# KiCad board panel.kicad_pcb (continued)
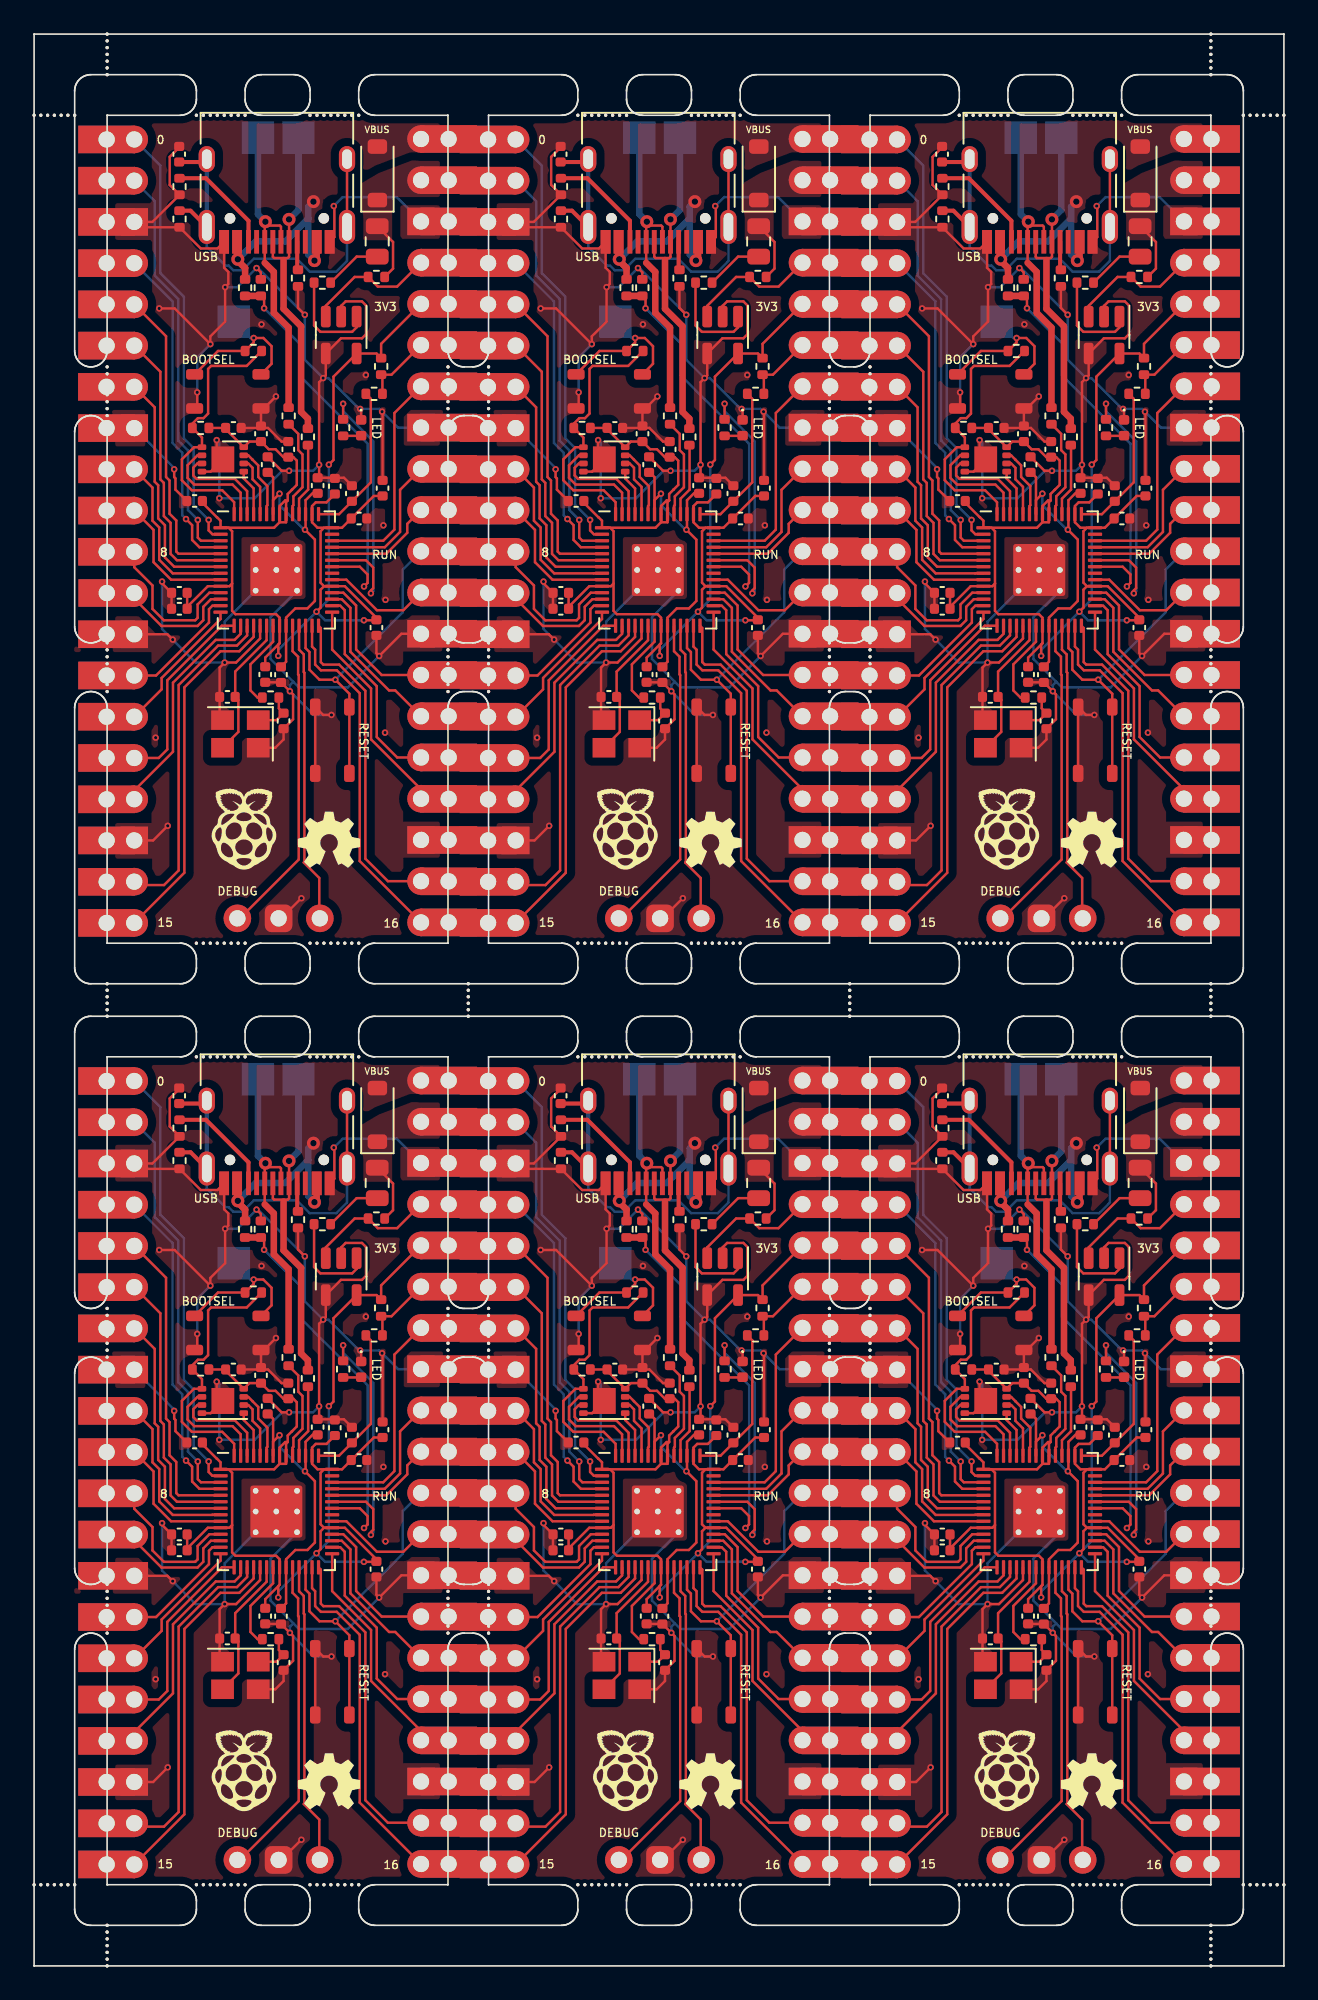
[diagram p0: board, top side]
## Routing (per net, layer and track width the routed paths; a pad name or vN(x,y) marks a point on that pad's centre or on a via; arc(x,y) is an arc through that point) (continued)
Board_3-/QSPI_SD0: length 2.9
  Top w0.15: U1#4.53 13.53,33.01 12.92,33.62 U2#3.5
Board_3-/QSPI_SD1: length 6.9
  Top w0.15: U2#3.2 10.06,35.05 9.45,34.44 9.45,33.66 9.87,33.25 12.23,33.25 12.72,32.75 U1#4.55
Board_3-/QSPI_SD2: length 6.3
  Top w0.15: U1#4.54 13.12,32.84 12.37,33.6 10.01,33.6 9.81,33.81 9.81,34.29 10.06,34.55 U2#3.3
Board_3-/QSPI_SD3: length 4.4
  Top w0.15: U1#4.51 14.33,31.93 14.38,31.98 14.38,33.15 13.81,33.72 13.81,34.43 13.45,34.79 13.45,34.79 13.2,35.05 U2#3.7
Board_3-/QSPI_SS: length 16.9
  Top w0.15: R8#4.2 13.1,40.56 10.9,40.56 10.72,40.38 10.72,37.62 10.44,37.34 10.09,37.34 9.75,37 R9#3.1 ; R9#3.1 10.34,36.15 U2#3.1 9.85,35.55 9.11,34.81 9.11,33.52 9.72,32.9 11.59,32.9 12.33,32.17 U1#4.56 ; R9#3.1 9.62,36.74
Board_3-/RUN: length 20.9
  Top w0.15: SW1#3.2 SW1#3.2 19.42,20.37 v1(18.56,21.23) 17.58,21.23 16.97,21.84 16.97,22.93 16.72,23.17 U1#4.26
  Bottom w0.15: v1(18.56,21.23) 22.72,25.39 22.72,28.02 J2#3.11
Board_3-/SWCLK: length 20
  Top w0.15: 12.49,6.34 16.31,10.16 16.31,21.52 16.27,21.56 16.27,22.64 15.92,22.98 U1#4.24
Board_3-/SWD: length 18.8
  Top w0.15: U1#4.25 16.33,23.08 16.61,22.79 16.61,21.7 16.66,21.66 16.66,10.01 16.62,9.97 17.57,9.02 17.57,6.34
Board_3-/USB_BOOT: length 9.7
  Top w0.15: SW2.2 14.63,40.69 14.63,41.77 14.12,42.28 v1(13.53,42.28) 13.53,42.01 R8#4.1 11.33,41.48 SW2.2
  Bottom w0.15: TP3#4.1 13.32,42.28 v1(13.53,42.28)
Board_3-/USB_DM: length 20.6
  Top w0.15: v2(15.71,49.59) 15.71,49.58 J4#6.B7 15.71,47.28 15.64,47.2 14.78,47.2 14.71,47.28 J4#6.A7
  Top w0.4: R2#5.2 16.87,37.31 16.45,37.73 16.45,43 15.37,44.08 15.37,47.08
  Bottom w0.4: v2(15.71,49.59) 16.29,50.17 TP2#6.1
Board_3-/USB_DP: length 19.4
  Top w0.15: 14.21,46.91 J4#6.B6 14.21,49.13 14.28,49.2 ; 14.28,49.2 15.14,49.2 15.21,49.13 J4#6.A6 ; 14.28,49.2 14.28,49.41 v2(14.25,49.44)
  Top w0.4: R1.2 15.68,42.92 14.77,43.83 14.77,46.35 14.21,46.91
  Bottom w0.4: v2(14.25,49.44) 13.79,49.9 TP1#3.1
Board_3-GND: length 169.7
  Top w0.15: v1(10.05,38.93) 10.05,38.1 SW2.1 ; SW1#3.1 SW1#3.1 17.81,19.06 v1(18.32,19.06) ; C6#5.2 15.2,21.07 C2#4.2 15.22,21.06 v1(15.76,20.52) 15.95,20.33 15.95,18.8 C14#5.2 15.37,17.55 14.86,17.04 Y1#2.4 ; C12#3.2 19.09,33.67 C3#2.2 17.56,33.76 v1(17.56,34.47) 17.56,39.56 v1(17.81,39.81) 17.97,39.97 U3#4.4 18.91,42.26 20.2,42.26 20.45,42.51 20.45,44.29 20.2,44.53 19.2,44.53 18.92,44.26 U3#4.2 ; J4#6.A1 18.5,48.5 18.5,50.37 v1(18.46,50.41) ; C7#2.2 21.09,22.86 v1(21.26,22.69) 22.63,24.06 J2#3.13 ; U2#3.4 10.88,34.05 U2#3.9 11.25,35.18 v1(11.25,35.99) ; v1(20.09,37.91) 20.15,37.85 D1#2.1 ; C1#3.2 15.25,34.1 v1(15.71,34.1) ; Y1#2.2 11.43,18.92 C15#5.1 11.43,21.98 v1(11.74,22.29) 12.44,22.29 13.92,23.77 U1#4.19 ; C19#3.2 13.98,37.76 v1(14.9,38.68) ; C17#5.2 8.94,54.02 8.36,53.44 8.36,51.7 R12#6.2 7.29,49.43 J1#2.3 6.5,49.1 R10#5.1 10.27,47.8 11.3,47.8 J4#6.A12 11.71,46.61 11.97,46.35 11.97,45.61 v1(11.77,45.41) 11.77,43.29 10.86,42.38 v1(10.86,41.9) 8.66,44.1 v1(7.71,44.1) ; J1#2.18 7.33,11.33 v1(8.23,12.23) ; v1(13.7,46.59) 13.97,46.32 R14#2.1 ; v1(7.88,27.27) 7.88,27.17 C13#5.2 C8#6.2 8.47,25.68 ; v1(8.63,34.19) 8.63,33.71 8.71,33.63 8.71,32.94 C9#6.2 ; v1(8.54,23.7) 8.21,24.03 J1#2.13 ; v1(16.68,43.71) 16.26,44.13 R11#3.2 ; C5.2 15.25,35.9 14.41,36.74 C16.1 ; v1(21.44,37.74) 21.47,37.71 C10#2.2 ; v1(16.47,7.77) 16.46,7.77 15.03,6.34
  Bottom w0.15: v1(18.46,50.41) 19.02,50.96 22.34,50.96 J2#3.3 ; J2#3.8 22.42,36.76 v1(21.44,37.74) 21.27,37.91 v1(20.09,37.91) 20.03,37.91 18.13,39.81 v1(17.81,39.81) 16.68,40.94 v1(16.68,43.71) 13.8,46.59 v1(13.7,46.59) 12.53,45.41 v1(11.77,45.41) ; 16.2,26.72 14.57,25.08 14.57,22.5 15.97,21.1 ; 15.97,21.1 15.76,20.89 v1(15.76,20.52) 17.22,19.06 v1(18.32,19.06) ; 15.97,21.1 16.32,20.75 19.32,20.75 v1(21.26,22.69) ; J1#2.8 8.63,34.27 v1(8.63,34.19) ; 13.65,26.72 11.74,24.81 v1(11.74,22.29) 9.95,22.29 v1(8.54,23.7) 7.88,24.36 v1(7.88,27.27) ; v1(11.25,35.99) 11.41,35.83 v1(11.41,32.41) 13.59,32.41 15.28,34.1 v1(15.71,34.1) 17.19,34.1 v1(17.56,34.47) ; v1(10.86,41.9) 10.05,41.09 v1(10.05,38.93)
  vias: v1(7.49,17.66) v1(14.01,43.12) v1(20.44,40) v1(21.52,30.74) v1(21.62,17.97) v1(21.65,26.15)
Board_3-Net-(C14-Pad1): length 2.8
  Top w0.15: Y1#2.1 14.94,18.74 C14#5.1 15.08,19.46 R7.1
Board_3-Net-(D1-A): length 1.1
  Top w0.15: R5.2 20.13,36.25 D1#2.2
Board_3-Net-(F1-Pad2): length 3.5
  Top w0.15: F1.2 19.87,47.29 FB1#5.2
Board_3-Net-(J4-CC1): length 1.7
  Top w0.25: J4#6.A5 16.21,46.53 R11#3.1
Board_3-Net-(J4-CC2): length 6.6
  Top w0.25: J4#6.B5 13.21,49.5 10.59,52.12 R12#6.1
Board_3-Net-(J4-SHIELD): length 25.7
  Top w0.15: J4#6.S1 J4#6.S1
  Top w0.25: R10#5.2 9.64,50.12 J4#6.S1 ; J4#6.S1 10.46,53.12 C17#5.1
  Bottom w0.15: J4#6.S1 19.28,47.03 18.62,46.37 16.98,46.37 16.19,47.16 13.54,47.16 12.83,46.45 12.27,46.45 11.98,46.74 11.79,46.74 10.64,47.89 J4#6.S1
  Bottom w0.25: J4#6.S1 J4#6.S1
Board_3-Net-(U1-ADC_AVDD): length 9.6
  Top w0.15: U1#4.43 18.79,31.43 C12#3.1 20.75,33.39 20.75,38.53 R4#5.2
Board_3-Net-(U1-USB_DM): length 4.5
  Top w0.15: U1#4.46 16.33,32.38 16.89,32.94 16.89,35.67 R2#5.1
Board_3-Net-(U1-USB_DP): length 6.1
  Top w0.15: U1#4.47 15.92,31.93 15.97,31.98 15.97,32.52 16.53,33.08 16.53,35.11 16.28,35.37 16.28,36.38 R1.1
Board_3-Net-(U3-IN): length 6.2
  Top w0.15: U3#4.1 19.87,42.94 19.59,42.66 17.64,42.66 17.25,43.05 FB1#5.1
Board_3-VBUS: length 13.8
  Top w0.4: 13,46.59 12.51,47.08 J4#6.A9 ; 13,46.59 R13#2.2 ; 13,46.59 12.55,47.04 v2(12.55,47.13) ; v2(17.27,47.05) 17.41,47.18 J4#6.A4
  Bottom w0.4: v2(12.55,47.13) 13.65,48.23 15.48,48.23 16.89,49.64 ; 16.89,49.64 16.89,50.36 v2(17.21,50.68) ; 16.89,49.64 16.89,47.43 v2(17.27,47.05)
Board_3-VSYS: length 3.7
  Top w0.15: F1.1 22.12,48.19 22.12,46.56 R15.1
Board_3-XIN: length 8.8
  Top w0.15: U1#4.20 14.33,23.67 12.39,21.73 C15#5.2 12.58,19.97 12.58,18.02 Y1#2.3
Board_3-XOUT: length 5.5
  Top w0.15: R7.2 13.77,20.13 13.33,20.57 13.33,22.18 14.72,23.57 U1#4.21
Board_4-3V3_EN: length 8.1
  Top w0.15: U3#2.3 41.47,44.26 43.25,46.04 R15#5.2 44.68,45.44 45.87,45.44 J2#4.4
Board_4-+1V1: length 19.4
  Top w0.15: C2.1 39.03,22.33 U1.23 39.03,25.05 39.59,25.62 40.34,25.62 40.8,26.08 40.8,29.86 v1(40.19,30.47) ; v1(40.19,30.47) 40.22,30.48 ; v1(40.19,30.47) 40.22,30.5 40.22,32.28 40.68,32.74 ; 38.02,33.91 38.22,33.7 38.22,31.43 38.22,32.3 v1(38.62,32.69)
  Bottom w0.15: 40.19,30.41 38.62,31.98 v1(38.62,32.69)
Board_4-+3V3: length 84.7
  Top w0.15: 35.7,27.15 35.7,25.47 35.91,25.27 38.41,25.27 38.62,25.05 U1.22 38.62,23.48 ; 35.7,27.15 35.7,30.38 35.49,30.59 U1.1 ; 35.7,27.15 35.54,26.99 U1.10 34.2,26.99 32.93,25.72 C8#3.1 C13#2.1 ; 38.62,30.93 39.03,30.93 U1.48 39.03,32.17 39.12,32.27 ; 38.62,30.93 38.29,30.59 U1.1 ; 38.62,30.93 U1.49 38.62,31.93 38.97,32.27 39.12,32.27 ; C6#6.1 37.74,22.59 38.62,23.48 ; 39.12,32.27 39.12,32.67 39.38,32.93 ; 38.62,23.48 38.54,23.39 v1(38.54,22.7) ; C10#6.1 44.43,32.55 C4#4.1 42.47,30.59 U1.42 41.36,30.59 ; U1.1 34.99,31.02 34.77,31.24 34.76,31.24 33.84,32.16 33.84,32.22 ; U1.1 34.98,30.6 ; 41.36,26.99 41.15,26.78 41.15,25.67 v1(40.9,25.42) ; 41.36,26.99 U1.33 42.65,26.99 44.59,25.05 C7#4.1 44.56,24.89 v1(43.82,24.89) ; 41.36,26.99 41.15,27.2 41.15,30.38 41.36,30.59 ; 41.36,30.59 40.96,30.59 40.62,30.93 U1.44 40.62,31.93 40.85,32.16 41.51,32.16 C11#2.1 ; v1(41.66,34.48) 41.94,34.77 41.94,39.9 U3#2.5 44.6,41.32 R3#6.1 44.88,41.92 J2#4.5 ; 39.38,32.93 39.4,32.94 ; 39.38,32.93 39.69,33.23 39.69,34.72 39.47,34.94 C5#3.1 38.86,34.94 38.38,35.42 37.96,35.42 C19.1 36.77,35.9 U2#5.8 35.3,36.67 C16#2.2 R9.2
  Bottom w0.15: v1(38.54,22.7) 38.54,23.06 v1(40.9,25.42) ; 43.48,24.89 v1(43.82,24.89) 41.43,24.89 v1(40.9,25.42) ; v1(40.9,25.42) 41.66,26.18 v1(41.66,34.48)
Board_4-/ADC_VREF: length 4.4
  Top w0.15: R4#2.1 44.96,39.94 R3#6.2 45.52,40.02 J2#4.6
Board_4-/GPIO0: length 26.8
  Top w0.15: U1.2 34.49,30.19 34.25,30.42 v1(34.25,31.07)
  Bottom w0.15: J1#6.1 31.28,52.9 31.28,46.27 32.73,44.82 32.73,36.1 33.33,35.5 33.33,32 v1(34.25,31.07)
Board_4-/GPIO1: length 25.1
  Top w0.15: v1(33.59,31.07) 33.59,29.98 33.78,29.79 U1.3
  Bottom w0.15: v1(33.59,31.07) 32.98,31.68 32.98,35.36 32.38,35.96 32.38,44.67 30.93,46.12 30.93,50.71 J1#6.2
Board_4-/GPIO2: length 20.5
  Top w0.15: v1(32.86,31.13) 33.24,30.75 33.24,29.84 33.69,29.39 U1.4
  Bottom w0.15: J1#6.4 32.03,44.53 32.03,35.81 32.63,35.21 32.63,31.36 v1(32.86,31.13)
Board_4-/GPIO3: length 19.1
  Top w0.15: U1.5 32.39,28.99 32.26,29.12 32.26,31.04 31.84,31.45 31.84,33.5 31.63,33.71 31.63,42.39 J1#6.5
Board_4-/GPIO4: length 17
  Top w0.15: U1.6 32.3,28.59 31.91,28.98 31.91,30.89 31.5,31.31 31.5,33.35 31.28,33.57 31.28,40.2 J1#6.6
Board_4-/GPIO5: length 15
  Top w0.15: J1#6.7 30.93,38.01 30.93,33.42 31.15,33.21 31.15,31.16 31.56,30.75 31.56,28.76 32.13,28.19 U1.7
Board_4-/GPIO6: length 10.3
  Top w0.15: U1.8 34.49,27.79 34.48,27.78 32.04,27.78 31.21,28.61 31.21,30.6 30.79,31.02 30.79,33.06 J1#6.9
Board_4-/GPIO7: length 8.2
  Top w0.15: J1#6.10 30.86,30.46 30.86,28.47 31.94,27.39 U1.9
Board_4-/GPIO8: length 9.7
  Top w0.15: U1.11 34.3,26.59 33.57,25.87 33.57,25.04 33.43,24.89 31.49,24.89 30.79,25.59 30.79,27.03 29.67,28.16 J1#6.11
Board_4-/GPIO9: length 7.5
  Top w0.15: J1#6.12 29.67,26.22 31.35,24.54 33.57,24.54 33.93,24.89 33.93,25.72 34.39,26.19 U1.12
Board_4-/GPIO10: length 7.6
  Top w0.15: U1.13 34.49,25.79 34.28,25.58 34.28,24.75 31.02,21.49 J1#6.14
Board_4-/GPIO11: length 8.6
  Top w0.15: U1.14 34.99,24.97 31.36,21.34 31.36,20.64 J1#6.15
Board_4-/GPIO12: length 12
  Top w0.15: J1#6.16 31.18,16.41 31.71,16.94 31.71,21.19 35.07,24.55 35.82,24.55
Board_4-/GPIO13: length 14.1
  Top w0.15: 36.22,24.55 36.22,24.05 35.85,23.68 34.69,23.68 32.06,21.05 32.06,16.79 29.67,14.41 J1#6.17
Board_4-/GPIO14: length 20.7
  Top w0.15: U1.17 36.62,23.96 36,23.33 34.84,23.33 32.41,20.9 32.41,9.48 31.51,8.58 29.88,8.58 J1#6.19
Board_4-/GPIO15: length 22
  Top w0.15: U1.18 37.03,23.86 36.14,22.98 34.98,22.98 32.76,20.76 32.76,9.34 J1#6.20
Board_4-/GPIO16: length 21.6
  Top w0.15: J2#4.20 43.56,10.06 43.56,20.4 42.15,21.81 41.17,21.81 40.81,22.17 40.81,23.08 40.62,23.27 U1.27
Board_4-/GPIO17: length 20.1
  Top w0.15: U1.28 41.16,24.41 41.16,22.31 41.32,22.16 42.29,22.16 43.91,20.54 43.91,10.2 45.29,8.82 J2#4.19
Board_4-/GPIO18: length 13.8
  Top w0.15: U1.29 41.86,23.09 44.26,20.69 44.26,17.56 47.34,14.48 J2#4.17
Board_4-/GPIO19: length 12.8
  Top w0.15: U1.30 42.36,25.79 42.64,25.51 42.64,22.8 44.61,20.83 44.61,17.7 45.87,16.44 J2#4.16
Board_4-/GPIO20: length 10
  Top w0.15: U1.31 42.46,26.19 42.99,25.66 42.99,22.95 45.37,20.57 45.75,20.57 J2#4.15
Board_4-/GPIO21: length 9.2
  Top w0.15: U1.32 42.55,26.59 43.34,25.8 43.34,23.09 44.91,21.52 J2#4.14
Board_4-/GPIO22: length 6.7
  Top w0.15: J2#4.12 46.25,25.51 44.62,25.51 42.74,27.39 U1.34
Board_4-/GPIO24: length 24.9
  Top w0.15: R14.2 37.67,44.67 v1(37.67,44.11) ; v1(43.83,26.97) 44.04,27.19 44.04,27.71 43.57,28.19 U1.36
  Top w0.4: R13#5.1 R14.2
  Bottom w0.15: v1(43.83,26.97) 44.05,27.2 44.05,35.77 39.83,39.99 39.83,41.95 v1(37.67,44.11)
Board_4-/GPIO25: length 17.8
  Top w0.15: v1(44.25,26.55) 44.25,26.73 44.39,26.87 44.39,28.14 43.94,28.59 U1.37 ; v1(42.54,38.23) R5#5.1
  Bottom w0.15: v1(42.54,38.23) 42.54,37.77 44.4,35.91 44.4,26.7 v1(44.25,26.55)
Board_4-/GPIO26_ADC0: length 6.9
  Top w0.15: U1.38 45.2,28.99 46.49,30.28 46.49,30.83 J2#4.10
Board_4-/GPIO27_ADC1: length 9
  Top w0.15: J2#4.9 46.05,32.93 46.05,30.33 45.11,29.39 U1.39
Board_4-/GPIO28_ADC2: length 13.6
  Top w0.15: U1.40 45.01,29.79 45.7,30.48 45.7,37.66 J2#4.7
Board_4-/QSPI_SCLK: length 3.7
  Top w0.15: U1.52 37.43,33.11 36.96,33.57 36.96,34.29 36.7,34.55 U2#5.6
Board_4-/QSPI_SD0: length 2.9
  Top w0.15: U2#5.5 36.42,33.62 37.03,33.01 U1.53
Board_4-/QSPI_SD1: length 6.9
  Top w0.15: 36.22,31.43 36.22,32.75 35.73,33.25 33.37,33.25 32.96,33.66 32.96,34.44 33.56,35.05 U2#5.2
Board_4-/QSPI_SD2: length 6.3
  Top w0.15: U2#5.3 33.56,34.55 33.31,34.29 33.31,33.81 33.51,33.6 35.87,33.6 36.62,32.84 U1.54
Board_4-/QSPI_SD3: length 4.4
  Top w0.15: 37.82,31.43 37.82,31.93 37.88,31.98 37.88,33.15 37.31,33.72 37.31,34.43 36.96,34.79 36.96,34.79 36.7,35.05 U2#5.7
Board_4-/QSPI_SS: length 16.9
  Top w0.15: R9.1 33.25,37 33.59,37.34 33.94,37.34 34.22,37.62 34.22,40.38 34.4,40.56 36.6,40.56 R8#2.2 ; R9.1 33.84,36.15 U2#5.1 33.35,35.55 32.6,34.81 32.6,33.52 33.22,32.9 35.09,32.9 35.82,32.17 35.82,31.43 ; R9.1 33.12,36.74
Board_4-/RUN: length 20.9
  Top w0.15: 40.22,24.55 40.22,23.17 40.47,22.93 40.47,21.84 41.08,21.23 v1(42.06,21.23) 42.92,20.37 SW1#6.2 SW1#6.2
  Bottom w0.15: v1(42.06,21.23) 46.22,25.39 46.22,28.02 J2#4.11
Board_4-/SWCLK: length 20
  Top w0.15: 35.99,6.34 39.81,10.16 39.81,21.52 39.76,21.56 39.76,22.64 39.43,22.98 U1.24
Board_4-/SWD: length 18.8
  Top w0.15: 41.07,6.34 41.07,9.02 40.12,9.97 40.16,10.01 40.16,21.66 40.12,21.7 40.12,22.79 39.82,23.08 39.82,24.55
Board_4-/USB_BOOT: length 9.7
  Top w0.15: SW2#4.2 34.83,41.48 R8#2.1 37.03,42.01 v1(37.03,42.28) 37.62,42.28 38.13,41.77 38.13,40.69 SW2#4.2
  Bottom w0.15: TP3#3.1 36.82,42.28 v1(37.03,42.28)
Board_4-/USB_DM: length 20.6
  Top w0.15: J4#5.A7 38.21,47.28 38.28,47.2 39.13,47.2 39.21,47.28 J4#5.B7 39.21,49.58 v2(39.21,49.59)
  Top w0.4: R2#2.2 40.37,37.31 39.95,37.73 39.95,43 38.87,44.08 38.87,47.08
  Bottom w0.4: TP2#4.1 39.79,50.17 v2(39.21,49.59)
Board_4-/USB_DP: length 19.4
  Top w0.15: 37.78,49.2 38.63,49.2 38.71,49.13 J4#5.A6 ; 37.78,49.2 37.78,49.41 v2(37.75,49.44) ; 37.78,49.2 37.71,49.13 J4#5.B6 37.71,46.91
  Top w0.4: R1#6.2 39.18,42.92 38.27,43.83 38.27,46.35 37.71,46.91
  Bottom w0.4: TP1#2.1 37.29,49.9 v2(37.75,49.44)
Board_4-GND: length 169.7
  Top w0.15: v1(32.13,34.19) 32.13,33.71 32.21,33.63 32.21,32.94 C9#2.2 ; v1(33.55,38.93) 33.55,38.1 SW2#4.1 ; v1(39.97,7.77) 39.96,7.77 38.53,6.34 ; v1(38.4,38.68) 37.48,37.76 C19.2 ; v1(43.59,37.91) 43.65,37.85 D1#6.1 ; v1(40.18,43.71) 39.76,44.13 R11#6.2 ; U2#5.4 34.38,34.05 U2#5.9 34.75,35.18 v1(34.75,35.99) ; Y1#5.4 38.36,17.04 38.87,17.55 C14#6.2 39.46,18.8 39.46,20.33 v1(39.26,20.52) 38.72,21.06 C2.2 38.7,21.07 C6#6.2 ; SW1#6.1 SW1#6.1 41.31,19.06 v1(41.82,19.06) ; J2#4.13 46.13,24.06 v1(44.76,22.69) 44.59,22.86 C7#4.2 ; C12.2 42.59,33.67 C3#4.2 41.06,33.76 v1(41.06,34.47) 41.06,39.56 v1(41.31,39.81) 41.47,39.97 U3#2.4 42.41,42.26 43.7,42.26 43.95,42.51 43.95,44.29 43.7,44.53 42.7,44.53 42.42,44.26 U3#2.2 ; 31.97,25.68 C8#3.2 C13#2.2 31.38,27.17 v1(31.38,27.27) ; J1#6.13 31.71,24.03 v1(32.04,23.7) ; v1(37.2,46.59) 37.47,46.32 R14.1 ; v1(41.96,50.41) 42,50.37 42,48.5 J4#5.A1 ; C1#5.2 38.75,34.1 v1(39.21,34.1) ; J1#6.18 30.83,11.33 v1(31.73,12.23) ; C17#6.2 32.44,54.02 31.85,53.44 31.85,51.7 R12.2 30.79,49.43 J1#6.3 30,49.1 R10#6.1 33.76,47.8 34.8,47.8 J4#5.A12 35.21,46.61 35.47,46.35 35.47,45.61 v1(35.27,45.41) 35.27,43.29 34.36,42.38 v1(34.36,41.9) 32.16,44.1 v1(31.21,44.1) ; v1(44.94,37.74) 44.97,37.71 C10#6.2 ; C16#2.1 37.91,36.74 38.75,35.9 C5#3.2 ; U1.19 37.43,23.77 35.94,22.29 v1(35.24,22.29) 34.93,21.98 C15#4.1 34.93,18.92 Y1#5.2
  Bottom w0.15: v1(41.82,19.06) 40.72,19.06 v1(39.26,20.52) 39.26,20.89 39.47,21.1 ; 39.7,26.72 38.07,25.08 38.07,22.5 39.47,21.1 ; v1(34.75,35.99) 34.91,35.83 v1(34.91,32.41) 37.09,32.41 38.78,34.1 v1(39.21,34.1) 40.69,34.1 v1(41.06,34.47) ; J2#4.8 45.92,36.76 v1(44.94,37.74) 44.77,37.91 v1(43.59,37.91) 43.53,37.91 41.63,39.81 v1(41.31,39.81) 40.18,40.94 v1(40.18,43.71) 37.3,46.59 v1(37.2,46.59) 36.03,45.41 v1(35.27,45.41) ; v1(41.96,50.41) 42.52,50.96 45.84,50.96 J2#4.3 ; v1(32.13,34.19) 32.13,34.27 J1#6.8 ; v1(33.55,38.93) 33.55,41.09 v1(34.36,41.9) ; v1(31.38,27.27) 31.38,24.36 v1(32.04,23.7) 33.45,22.29 v1(35.24,22.29) 35.24,24.81 37.15,26.72 ; 39.47,21.1 39.82,20.75 42.82,20.75 v1(44.76,22.69)
  vias: v1(30.99,17.66) v1(37.51,43.12) v1(43.94,40) v1(45.02,30.74) v1(45.12,17.97) v1(45.15,26.15)
Board_4-Net-(C14-Pad1): length 2.8
  Top w0.15: Y1#5.1 38.44,18.74 C14#6.1 38.58,19.46 R7#2.1
Board_4-Net-(D1-A): length 1.1
  Top w0.15: R5#5.2 43.63,36.25 D1#6.2
Board_4-Net-(F1-Pad2): length 3.5
  Top w0.15: F1#2.2 43.37,47.29 FB1#3.2
Board_4-Net-(J4-CC1): length 1.7
  Top w0.25: R11#6.1 39.71,46.53 J4#5.A5
Board_4-Net-(J4-CC2): length 6.6
  Top w0.25: R12.1 34.09,52.12 36.71,49.5 J4#5.B5
Board_4-Net-(J4-SHIELD): length 25.7
  Top w0.15: J4#5.S1 J4#5.S1
  Top w0.25: R10#6.2 33.14,50.12 J4#5.S1 ; J4#5.S1 33.96,53.12 C17#6.1
  Bottom w0.15: J4#5.S1 42.78,47.03 42.12,46.37 40.48,46.37 39.69,47.16 37.04,47.16 36.33,46.45 35.77,46.45 35.48,46.74 35.29,46.74 34.14,47.89 J4#5.S1
  Bottom w0.25: J4#5.S1 J4#5.S1
Board_4-Net-(U1-ADC_AVDD): length 9.6
  Top w0.15: U1.43 42.29,31.43 C12.1 44.25,33.39 44.25,38.53 R4#2.2
Board_4-Net-(U1-USB_DM): length 4.5
  Top w0.15: 39.82,31.43 39.82,32.38 40.38,32.94 40.38,35.67 R2#2.1
Board_4-Net-(U1-USB_DP): length 6.1
  Top w0.15: U1.47 39.43,31.93 39.47,31.98 39.47,32.52 40.03,33.08 40.03,35.11 39.78,35.37 39.78,36.38 R1#6.1
Board_4-Net-(U3-IN): length 6.2
  Top w0.15: U3#2.1 43.37,42.94 43.09,42.66 41.14,42.66 40.75,43.05 FB1#3.1
Board_4-VBUS: length 13.8
  Top w0.4: 36.5,46.59 36.01,47.08 J4#5.A9 ; 36.5,46.59 R13#5.2 ; 36.5,46.59 36.05,47.04 v2(36.05,47.13) ; v2(40.77,47.05) 40.91,47.18 J4#5.A4
  Bottom w0.4: v2(40.77,47.05) 40.39,47.43 40.39,49.64 ; 40.39,49.64 40.39,50.36 v2(40.71,50.68) ; 40.39,49.64 38.98,48.23 37.15,48.23 v2(36.05,47.13)
Board_4-VSYS: length 3.7
  Top w0.15: R15#5.1 45.62,46.56 45.62,48.19 F1#2.1
Board_4-XIN: length 8.8
  Top w0.15: Y1#5.3 36.09,18.02 36.09,19.97 C15#4.2 35.89,21.73 37.82,23.67 37.82,24.55
Board_4-XOUT: length 5.5
  Top w0.15: 38.22,24.55 38.22,23.57 36.83,22.18 36.83,20.57 37.27,20.13 R7#2.2
Board_5-3V3_EN: length 8.1
  Top w0.15: J2.4 69.37,45.44 68.18,45.44 R15#6.2 66.75,46.04 64.97,44.26 U3.3
Board_5-+1V1: length 19.4
  Top w0.15: v1(63.69,30.47) 63.72,30.5 63.72,32.28 64.18,32.74 ; v1(63.69,30.47) 63.72,30.48 ; v1(63.69,30.47) 64.3,29.86 64.3,26.08 63.84,25.62 63.09,25.62 62.53,25.05 U1#5.23 62.53,22.33 C2#3.1 ; 61.52,33.91 61.72,33.7 61.72,31.43 61.72,32.3 v1(62.12,32.69)
  Bottom w0.15: v1(62.12,32.69) 62.12,31.98 63.69,30.41
Board_5-+3V3: length 84.7
  Top w0.15: 62.88,32.93 62.9,32.94 ; 62.88,32.93 62.62,32.67 62.62,32.27 ; 62.88,32.93 63.19,33.23 63.19,34.72 62.97,34.94 C5#2.1 62.36,34.94 61.88,35.42 61.46,35.42 C19#4.1 60.27,35.9 U2#4.8 58.8,36.67 C16#4.2 R9#5.2 ; 64.86,26.99 64.65,27.2 64.65,30.38 64.86,30.59 ; 64.86,26.99 64.65,26.78 64.65,25.67 v1(64.4,25.42) ; 64.86,26.99 U1#5.33 66.15,26.99 68.09,25.05 C7#5.1 68.06,24.89 v1(67.32,24.89) ; C6#2.1 61.24,22.59 62.12,23.48 ; C11#6.1 65.01,32.16 64.35,32.16 64.12,31.93 U1#5.44 64.12,30.93 64.46,30.59 64.86,30.59 ; 59.2,27.15 59.2,25.47 59.41,25.27 61.91,25.27 62.12,25.05 U1#5.22 62.12,23.48 ; 59.2,27.15 59.04,26.99 U1#5.10 57.7,26.99 56.43,25.72 C8#4.1 C13#3.1 ; 59.2,27.15 59.2,30.38 58.99,30.59 U1#5.1 ; 58.48,30.6 U1#5.1 ; U1#5.1 61.79,30.59 62.12,30.93 ; U1#5.1 58.49,31.02 58.27,31.24 58.26,31.24 57.34,32.16 57.34,32.22 ; 64.86,30.59 U1#5.42 65.97,30.59 C4#5.1 67.93,32.55 C10#3.1 ; v1(65.16,34.48) 65.44,34.77 65.44,39.9 U3.5 68.1,41.32 R3.1 68.38,41.92 J2.5 ; 62.12,30.93 62.53,30.93 U1#5.48 62.53,32.17 62.62,32.27 ; 62.12,30.93 U1#5.49 62.12,31.93 62.47,32.27 62.62,32.27 ; 62.12,23.48 62.04,23.39 v1(62.04,22.7)
  Bottom w0.15: v1(64.4,25.42) 64.93,24.89 v1(67.32,24.89) 66.98,24.89 ; v1(64.4,25.42) 65.16,26.18 v1(65.16,34.48) ; v1(64.4,25.42) 62.04,23.06 v1(62.04,22.7)
Board_5-/ADC_VREF: length 4.4
  Top w0.15: R4#4.1 68.46,39.94 R3.2 69.02,40.02 J2.6
Board_5-/GPIO0: length 26.8
  Top w0.15: U1#5.2 57.99,30.19 57.75,30.42 v1(57.75,31.07)
  Bottom w0.15: v1(57.75,31.07) 56.83,32 56.83,35.5 56.23,36.1 56.23,44.82 54.78,46.27 54.78,52.9 J1#4.1
Board_5-/GPIO1: length 25.1
  Top w0.15: v1(57.09,31.07) 57.09,29.98 57.28,29.79 U1#5.3
  Bottom w0.15: J1#4.2 54.43,50.71 54.43,46.12 55.88,44.67 55.88,35.96 56.48,35.36 56.48,31.68 v1(57.09,31.07)
Board_5-/GPIO2: length 20.5
  Top w0.15: U1#5.4 57.19,29.39 56.74,29.84 56.74,30.75 v1(56.36,31.13)
  Bottom w0.15: J1#4.4 55.53,44.53 55.53,35.81 56.13,35.21 56.13,31.36 v1(56.36,31.13)
Board_5-/GPIO3: length 19.1
  Top w0.15: U1#5.5 55.89,28.99 55.76,29.12 55.76,31.04 55.34,31.45 55.34,33.5 55.13,33.71 55.13,42.39 J1#4.5
Board_5-/GPIO4: length 17
  Top w0.15: J1#4.6 54.78,40.2 54.78,33.57 55,33.35 55,31.31 55.41,30.89 55.41,28.98 55.8,28.59 U1#5.6
Board_5-/GPIO5: length 15
  Top w0.15: U1#5.7 55.63,28.19 55.06,28.76 55.06,30.75 54.65,31.16 54.65,33.21 54.43,33.42 54.43,38.01 J1#4.7
Board_5-/GPIO6: length 10.3
  Top w0.15: U1#5.8 57.99,27.79 57.98,27.78 55.54,27.78 54.71,28.61 54.71,30.6 54.29,31.02 54.29,33.06 J1#4.9
Board_5-/GPIO7: length 8.2
  Top w0.15: U1#5.9 55.44,27.39 54.36,28.47 54.36,30.46 J1#4.10
Board_5-/GPIO8: length 9.7
  Top w0.15: U1#5.11 57.8,26.59 57.07,25.87 57.07,25.04 56.93,24.89 54.99,24.89 54.29,25.59 54.29,27.03 53.17,28.16 J1#4.11